# Altium PCB LimePSB-RPCM_1v3.PcbDoc (part 6 of 10)
Units mm, origin at the board's own origin, x right, y up, seen from the top; angles counter-clockwise.
Board outline 170 x 110 mm, 6 copper layers (Top, L2, L3, L4, L5, Bottom), stack 1.583 mm thick; 946 components, 565 nets, 4035 pads, 1752 vias.
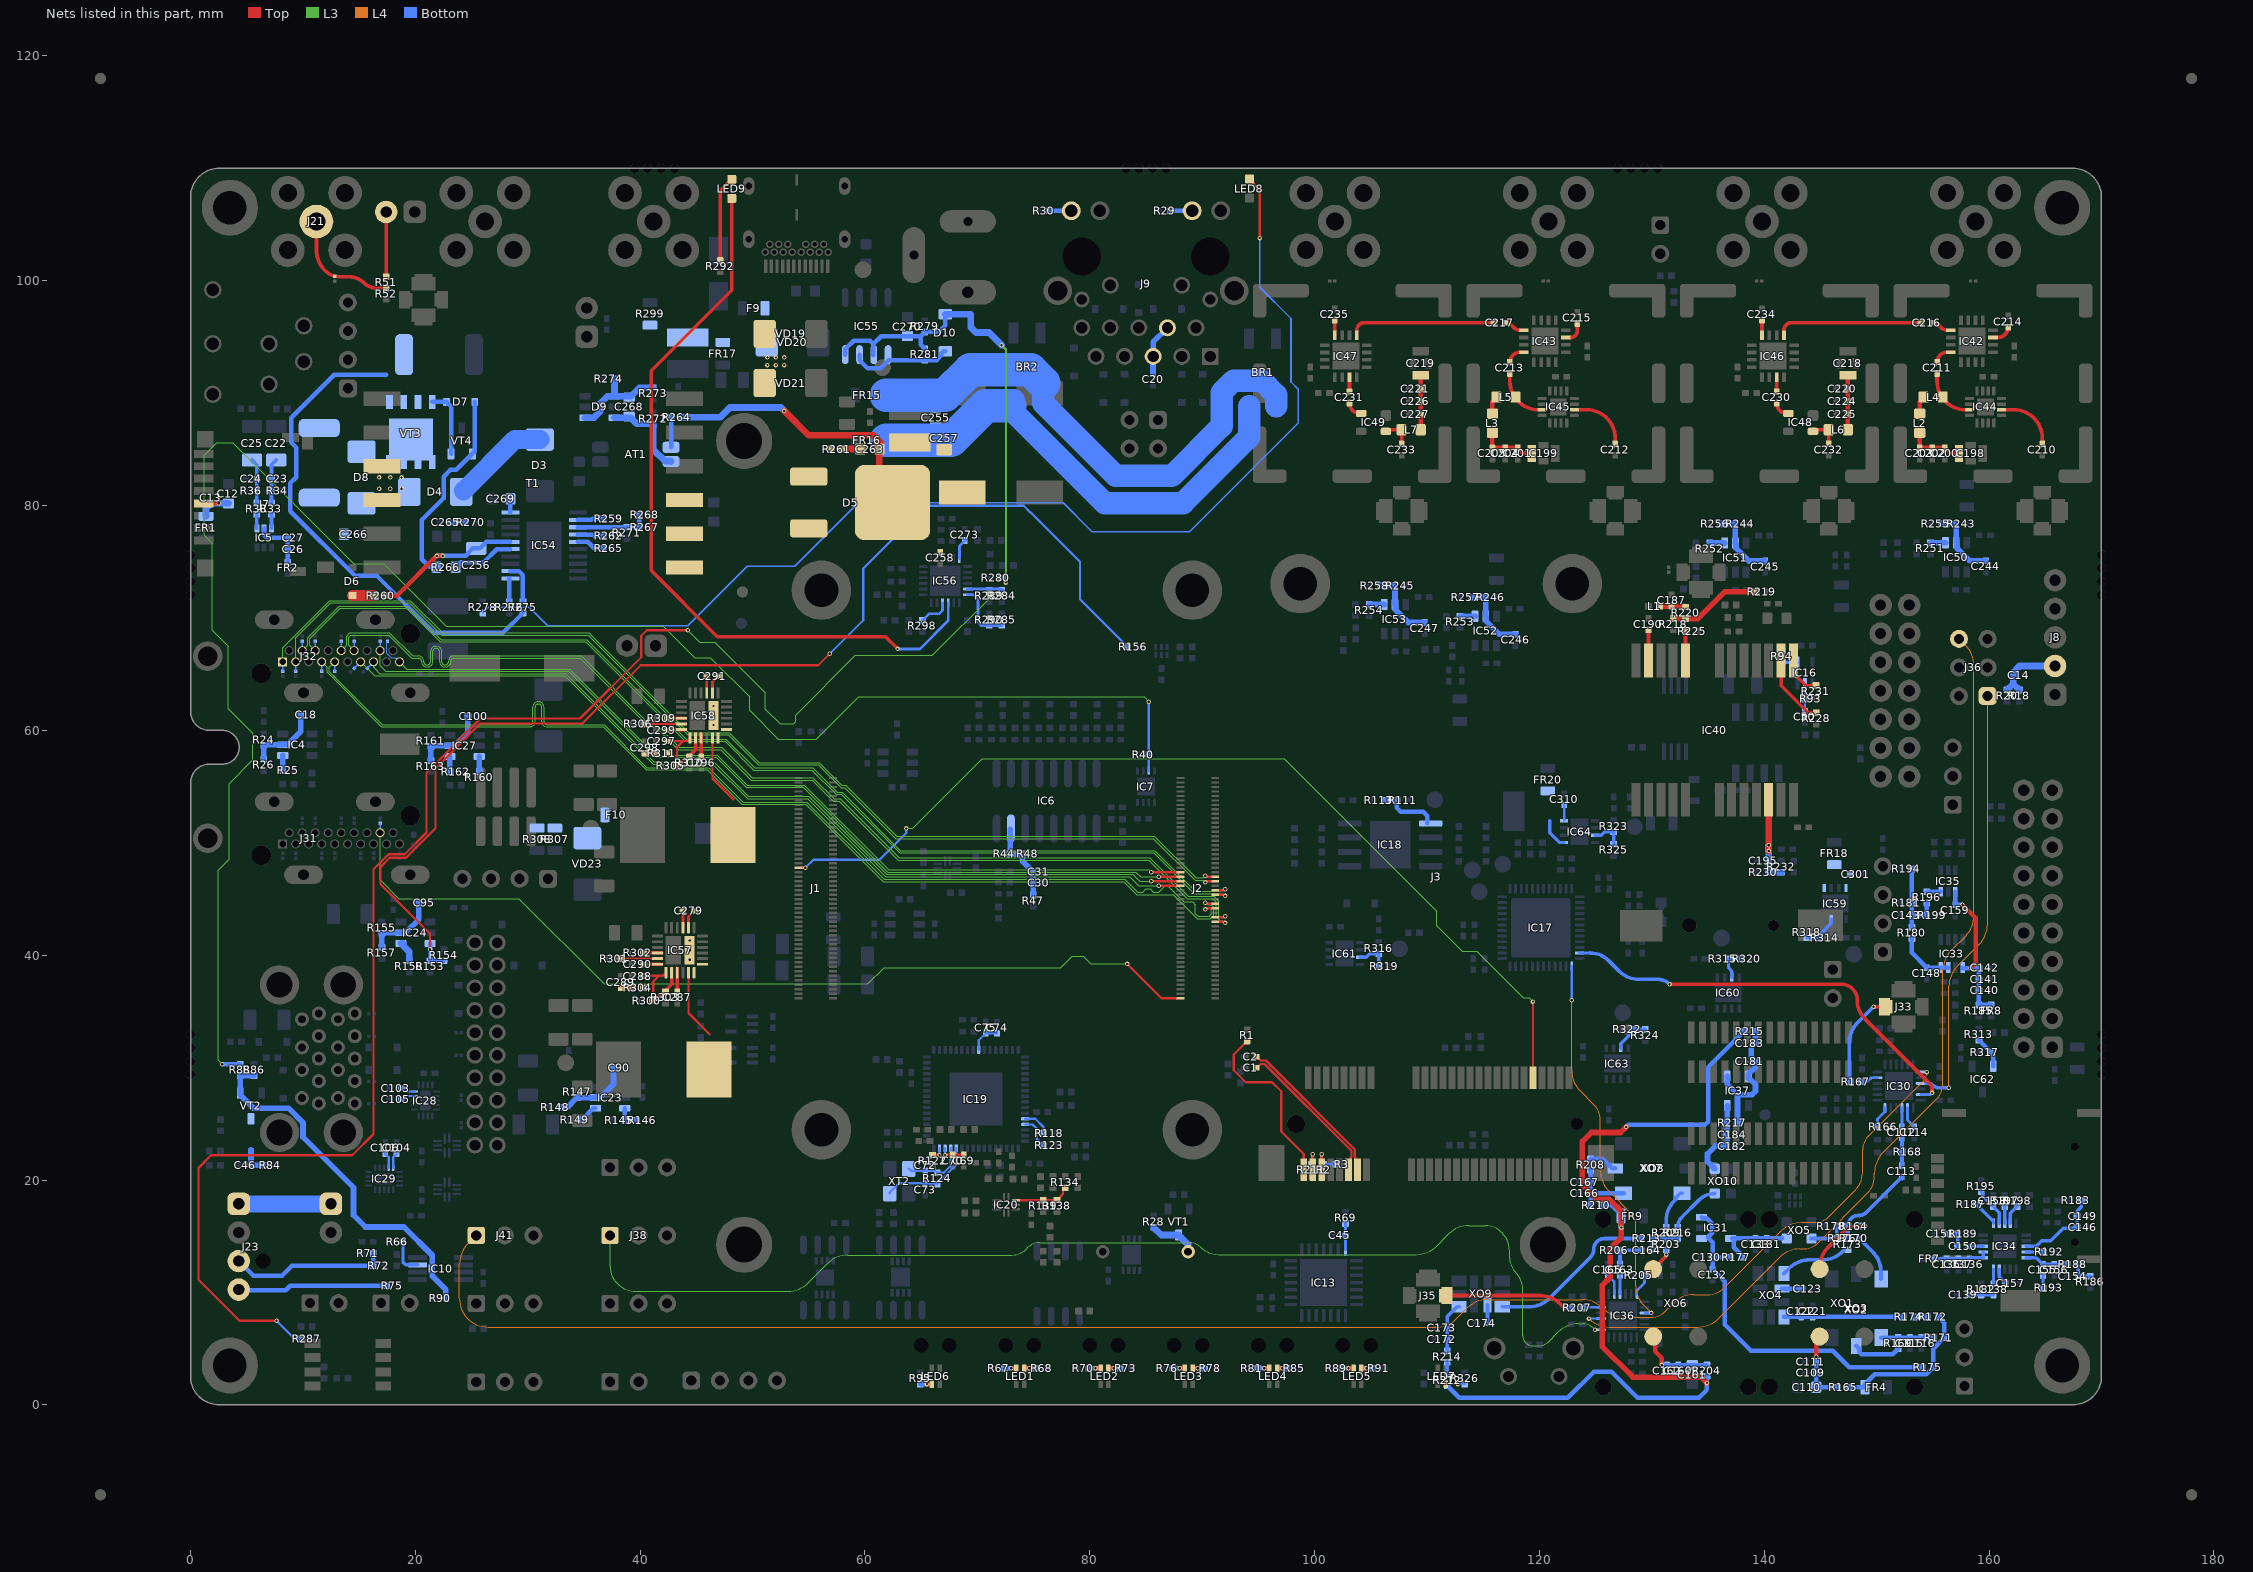
[diagram p10: the nets of this part, all layers, seen from the top]

## Via types
v1: diameter 0.4, hole 0.2, Top to Bottom, tented both sides, 1728 vias
v2: diameter 0.5, hole 0.2, Top to Bottom, tented both sides, 24 vias

## Nets (pads, with @x,y where several pads share a name; then routed paths per layer and width w, separated by ;. In a path a pad name is that pad's centre, name@x,y a point inside that pad or via, vN(x,y) a via of type N, cw(c..) or ccw(c..) an arc to the next point about the centre after c; other vN are vias at no path point) (continued)
HDMI0_SDA: ESD16.1 J2.99 J31.16 | length 82.6
  Top w0.2: v1(83.325,39.225) 86.375,36.175 J2.99@88.085,36.175
  L3 w0.1: J31.16@16.87,50.898 16.87,46.713 18.538,45.045 29.195,45.045 36.791,37.45 60.258,37.45 61.708,38.9 77.425,38.9 78.425,39.9 79.425,39.9 80.1,39.225 v1(83.325,39.225)
  Bottom w0.15: J31.16@16.87,50.898 ESD16.1@16.87,51.722
HDMI1_CEC: ESD26.1 J2.49 J32.13 | length 82
  Top w0.2: v1(86.125,46.175) J2.49@88.085,46.175
  L3 w0.1: J32.13@15.136,66.098 16.384,64.85 33.292,64.85 41.142,57 46.475,57 49.55,53.925 54.926,53.925 61.851,47 83.55,47 84.375,46.175 v1(86.125,46.175)
  Bottom w0.15: ESD26.1@14.554,65.516 J32.13@15.136,66.098
HDMI1_CLK_N: ESD25.1 J2.66 J32.12 | length 96.1
  Top w0.2: J2.66@91.165,42.975 91.95,42.975 v1(92.05,42.875)
  L3 w0.1: J32.12@14.558,67.098 14.08,67.576 14.08,68.297 14.258,68.475 17.617,68.475 19.667,66.425 20.29,66.425 cw(c20.29,66.165) 20.55,66.165 20.55,66.11 ccw(c21.01,66.11) 21.01,65.65 21.09,65.65 ccw(c21.09,66.11) 21.55,66.11 21.55,67.027 cw(c21.81,67.027) 21.81,67.287 21.89,67.287 cw(c21.89,67.027) 22.15,67.027 22.15,66.11 ccw(c22.61,66.11) 22.61,65.65 22.69,65.65 ccw(c22.69,66.11) 23.15,66.11 23.15,66.165 cw(c23.41,66.165) 23.41,66.425 34.675,66.425 40.6,60.5 41.175,60.5 43.375,58.3 47.175,58.3 49.9,55.575 55.3,55.575 57.175,53.7 57.7,53.7 62.95,48.45 85.25,48.45 88.675,45.025 90.925,45.025 91.25,44.7 91.25,43.425 91.6,43.075 91.841,43.075 v1@92.041,42.875
  Bottom w0.15: J32.12@14.558,67.098 ESD25.1@14.558,67.922
HDMI1_CLK_P: ESD24.1 J2.64 J32.10 | length 96.5
  Top w0.2: J2.64@91.165,43.375 91.95,43.375 v1(92.05,43.475)
  L3 w0.1: J32.10@13.402,67.098 13.88,67.576 13.88,68.38 14.175,68.675 17.7,68.675 19.75,66.625 20.29,66.625 cw(c20.29,66.165) 20.75,66.165 20.75,66.11 ccw(c21.01,66.11) 21.01,65.85 21.09,65.85 ccw(c21.09,66.11) 21.35,66.11 21.35,67.027 cw(c21.81,67.027) 21.81,67.487 21.89,67.487 cw(c21.89,67.027) 22.35,67.027 22.35,66.11 ccw(c22.61,66.11) 22.61,65.85 22.69,65.85 ccw(c22.69,66.11) 22.95,66.11 22.95,66.165 cw(c23.41,66.165) 23.41,66.625 34.758,66.625 40.683,60.7 41.258,60.7 43.458,58.5 47.258,58.5 49.983,55.775 55.383,55.775 55.508,55.65 57.258,53.9 57.783,53.9 63.033,48.65 85.333,48.65 88.758,45.225 90.608,45.225 91.008,45.225 91.45,44.783 91.45,43.508 91.683,43.275 91.841,43.275 v1@92.041,43.475
  Bottom w0.15: J32.10@13.402,67.098 ESD24.1@13.402,67.922
HDMI1_D0_N: ESD23.1 J2.60 J32.9 | length 96.1
  Top w0.2: v1(90.28,44.075) 90.38,44.175 J2.60@91.165,44.175
  L3 w0.1: J32.9@12.824,66.098 12.346,65.62 12.346,65.237 17.058,60.525 30.19,60.525 ccw(c30.19,60.785) 30.45,60.785 30.45,62.075 cw(c30.91,62.075) 30.91,62.535 30.99,62.535 cw(c30.99,62.075) 31.45,62.075 31.45,60.785 ccw(c31.71,60.785) 31.71,60.525 36.783,60.525 40.608,56.7 46.1,56.7 49.175,53.625 54.833,53.625 61.708,46.75 83.108,46.75 84.258,45.6 84.725,45.6 85.025,45.9 85.358,45.9 85.658,45.6 86.125,45.6 86.65,46.125 86.983,46.125 88.358,44.75 89.15,44.75 89.4,44.5 89.4,43.708 89.658,43.45 90.637,43.45 90.825,43.637 90.825,44.175 90.725,44.275 90.489,44.275 90.289,44.075 v1(90.28,44.075)
  Bottom w0.15: ESD23.1@12.824,65.275 J32.9@12.824,66.098
HDMI1_D0_P: ESD22.1 J2.58 J32.7 | length 96
  Top w0.2: v1(90.28,44.675) 90.38,44.575 J2.58@91.165,44.575
  L3 w0.1: J32.7@11.668,66.098 12.146,65.62 12.146,65.154 16.975,60.325 30.19,60.325 ccw(c30.19,60.785) 30.65,60.785 30.65,62.075 cw(c30.91,62.075) 30.91,62.335 30.99,62.335 cw(c30.99,62.075) 31.25,62.075 31.25,60.785 ccw(c31.71,60.785) 31.71,60.325 36.7,60.325 40.525,56.5 45.975,56.5 49.05,53.425 54.75,53.425 61.625,46.55 83.025,46.55 84.175,45.4 87.425,45.4 89.575,43.25 90.72,43.25 91.025,43.555 91.025,44.258 90.808,44.475 90.489,44.475 90.289,44.675 v1(90.28,44.675)
  Bottom w0.15: ESD22.1@11.668,65.275 J32.7@11.668,66.098
HDMI1_D1_N: ESD21.1 J2.54 J32.6 | length 96.2
  Top w0.2: J2.54@91.165,45.375 91.95,45.375 v1(92.05,45.275)
  L3 w0.1: J32.6@11.09,67.098 10.612,67.576 10.612,68.154 13.308,70.85 19.225,70.85 22.2,67.875 35.175,67.875 44.025,59.025 47.55,59.025 50.1,56.475 55.27,56.475 57.445,54.3 57.875,54.3 63.075,49.1 85.675,49.1 89.3,45.475 91.841,45.475 92.041,45.275 v1(92.05,45.275)
  Bottom w0.15: J32.6@11.09,67.098 ESD21.1@11.09,67.922
HDMI1_D1_P: ESD20.1 J2.52 J32.4 | length 96.5
  Top w0.2: J2.52@91.165,45.775 91.95,45.775 v1(92.05,45.875)
  L3 w0.1: J32.4@9.934,67.098 10.412,67.576 10.412,68.237 13.225,71.05 19.325,71.05 22.3,68.075 35.258,68.075 44.108,59.225 47.633,59.225 50.183,56.675 55.353,56.675 57.528,54.5 57.958,54.5 63.158,49.3 85.758,49.3 85.875,49.183 89.383,45.675 91.841,45.675 92.041,45.875 v1(92.05,45.875)
  Bottom w0.15: J32.4@9.934,67.098 ESD20.1@9.934,67.922
HDMI1_D2_N: ESD19.1 J2.48 J32.3 | length 96.4
  Top w0.2: v1(90.28,46.475) 90.38,46.575 J2.48@91.165,46.575
  L3 w0.1: J32.3@9.355,66.098 9.356,68.223 12.483,71.35 19.467,71.35 22.342,68.475 22.6,68.475 35.367,68.475 44.242,59.6 47.85,59.6 50.525,56.925 55.842,56.925 57.867,54.9 58.2,54.9 62.725,50.375 85.667,50.375 89.367,46.675 90.071,46.675 90.271,46.475 v1(90.28,46.475)
  Bottom w0.15: ESD19.1@9.356,65.275 J32.3@9.355,66.098
HDMI1_D2_P: ESD18.1 J2.46 J32.1 | length 97.1
  Top w0.2: v1(90.28,47.075) 90.38,46.975 J2.46@91.165,46.975
  L3 w0.1: J32.1@8.2,66.098 8.2,67.35 12.4,71.55 19.55,71.55 22.425,68.675 35.45,68.675 35.749,68.376 44.325,59.8 47.933,59.8 50.608,57.125 55.925,57.125 57.95,55.1 58.283,55.1 62.808,50.575 85.75,50.575 89.45,46.875 90.071,46.875 90.271,47.075 v1(90.28,47.075)
  Bottom w0.15: ESD18.1@8.2,65.275 J32.1@8.2,66.098
HDMI1_HPD: ESD29.1 J2.43 J32.19 | length 79.8
  Top w0.2: v1(85.475,47.375) J2.43@88.085,47.375
  L3 w0.1: J32.19@18.604,66.098 19.252,65.45 33.733,65.45 41.383,57.8 46.858,57.8 49.533,55.125 54.575,55.125 62.1,47.6 85.25,47.6 v1(85.475,47.375)
  Bottom w0.1: ESD29.1@17.525,67.925 17.475,67.875 17.475,67.587 17.475,67.334 17.468,67.326 17.468,66.849 17.866,66.45 18.252,66.45 J32.19@18.604,66.098
HDMI1_SCL: ESD27.1 J2.47 J32.15 | length 81
  Top w0.2: v1(85.475,46.575) J2.47@88.085,46.575
  L3 w0.1: J32.15@16.292,66.098 16.293,66.097 16.293,65.607 16.85,65.05 33.375,65.05 41.225,57.2 46.558,57.2 49.633,54.125 55.009,54.125 61.934,47.2 83.825,47.2 84.45,46.575 v1(85.475,46.575)
  Bottom w0.15: ESD27.1@15.71,65.516 J32.15@16.292,66.098
HDMI1_SDA: ESD28.1 J2.45 J32.16 | length 81.2
  Top w0.2: v1(86.125,46.975) J2.45@88.085,46.975
  L3 w0.1: J32.16@16.87,67.098 16.87,65.755 17.375,65.25 33.65,65.25 41.3,57.6 46.775,57.6 49.45,54.925 54.492,54.925 62.017,47.4 84.1,47.4 84.525,46.975 v1(86.125,46.975)
  Bottom w0.15: J32.16@16.87,67.098 ESD28.1@16.87,67.922
HDR_INT_TO_EXT: J20.2 R51.2 | length 5.8
  Top w0.325: R51.2@17.4,100.35 J20.2@17.4,106.121
INT_TO_EXT: ESD1.1 J21.1 R51.1 R52.1 | length 10.4
  Top w0.325: J21.1@11.2,105.275 11.2,102.727 ccw(c13.74,102.727) 11.944,100.931 ccw(c13.347,102.334) 13.347,100.35 14.122,100.35 cw(c14.122,98.472) 15.45,99.8 ccw(c16.536,100.886) 16.536,99.35 R51.1@17.4,99.35
ISNK_COARSE: IC56.5 R284.2 R287.2 R289.2 | length 143.8
  Top w0.2: v1(7.65,7.475) 4.35,7.475 0.7,11.125 0.7,21.075 1.825,22.2 14.375,22.2 16.275,24.1 16.275,47.649 17.601,48.975 19.05,48.975 20.985,50.91 20.985,56.235 25.8,61.05 34.65,61.05 40.1,66.5 40.1,68.425 40.575,68.9 v1(44.25,68.9)
  L3 w0.1: v1(44.25,68.9) 45.3,67.85 46.625,67.85 51.125,63.35 51.125,61.9 52.45,60.575 53.65,60.575 53.825,60.75 53.825,61.35 59.15,66.675 66,66.675 71.445,72.12 v1(72.516,72.12)
  Bottom w0.2: v1(7.65,7.475) 9.25,5.875 R287.2@9.825,5.875
  Bottom w0.25: IC56.5@69.116,72.575 R284.2@72.061,72.575
  Bottom w0.4: R284.2@72.166,72.47 v1(72.516,72.12)
ISNK_FINE: IC56.6 R285.2 R290.2 | length 5.4
  Bottom w0.25: IC56.6@69.116,72.075 69.661,72.075 70.041,71.695 70.041,69.645 70.341,69.345 R290.2@71.066,69.345 R285.2@72.166,69.345
LM75_OS: IC7.3 R40.1 R88.1 | length 163
  L3 w0.1: v1(2.825,30.3) 2.45,30.675 2.45,47.55 3.45,48.55 3.45,55.275 5.55,57.375 5.55,59.725 3.35,61.925 3.35,67.5 1.925,68.925 1.925,76.65 1.225,77.35 1.225,84.483 2.342,85.6 3.758,85.6 14.533,74.825 17.183,74.825 22.733,69.275 42.05,69.275 44.85,66.475 46.253,66.475 49.75,62.978 49.75,61.775 52.3,59.225 55.675,59.225 59.425,62.975 84.825,62.975 v1(85.25,62.55)
  Bottom w0.25: IC7.3@85.25,56.4 R40.1@85.25,57.851 v1(85.25,62.55)
  Bottom w0.4: v1(2.825,30.3) R88.1@4.425,30.3
LMK10_CLK_OUT0: IC17.37 IC36.3 | length 33.8
  L4 w0.1: v1(122.875,35.985) 122.875,29.727 ccw(c125.415,29.727) 123.619,27.931 124.85,26.7 cw(c123.462,25.312) 125.425,25.312 125.425,20.827 ccw(c127.965,20.827) 126.169,19.031 128.225,16.975 cw(c127.38,16.13) 128.575,16.13 128.575,10.591 ccw(c131.115,10.591) 129.319,8.795 v1(129.939,8.174)
  Bottom w0.25: v1(122.875,35.985) IC17.37@122.875,39 ; IC36.3@129.414,8.174 v1(129.939,8.174)
LMK10_CLK_OUT2: IC36.13 J38.1 | length 103.5
  L3 w0.1: J38.1@37.319,15.075 37.319,12.323 ccw(c39.473,12.323) 37.95,10.8 ccw(c39.64,12.49) 39.64,10.1 53.153,10.1 ccw(c53.153,12.64) 54.949,10.844 56.686,12.581 cw(c58.482,10.785) 58.482,13.325 73.075,13.325 ccw(c73.075,15.136) 74.355,13.855 74.5,14 cw(c75.526,12.974) 75.526,14.425 88.92,14.425 cw(c88.92,13.145) 89.825,14.05 ccw(c91.455,15.68) 91.455,13.375 109.048,13.375 ccw(c109.048,15.915) 110.844,14.119 111.931,15.206 cw(c113.727,13.41) 113.727,15.95 115.2,15.95 cw(c115.2,13.958) 116.608,15.367 116.675,15.3 cw(c115.045,13.67) 117.35,13.67 117.35,13.022 ccw(c118.972,13.022) 117.825,11.875 cw(c116.135,10.185) 118.525,10.185 118.525,6.15 ccw(c119.425,6.15) 119.425,5.25 119.99,5.25 ccw(c119.99,6.36) 120.775,5.575 121.681,6.481 cw(c123.477,4.685) 123.477,7.225 123.8,7.225 cw(c123.8,5.771) 124.828,6.799 v1(124.954,6.674)
LMK10_CLK_OUT3: IC36.15 J36.6 | length 83.9
  L4 w0.1: v1(124.399,7.674) 124.405,7.669 ccw(c126.201,9.465) 126.201,6.925 134.123,6.925 ccw(c134.123,9.465) 135.919,7.669 141.381,13.131 cw(c143.177,11.335) 143.177,13.875 143.55,13.875 ccw(c143.55,15.505) 144.702,14.352 149.217,18.867 ccw(c147.808,20.275) 149.8,20.275 149.8,20.623 cw(c152.34,20.623) 150.544,22.419 155.334,27.209 ccw(c153.969,28.575) 155.9,28.575 155.9,38.648 cw(c158.44,38.648) 156.644,40.444 157.906,41.706 ccw(c156.11,43.502) 158.65,43.502 158.65,65.766 ccw(c156.11,65.766) 157.906,67.562 J36.6@157.329,68.139
  Bottom w0.2: v1(124.399,7.674) IC36.15@125.489,7.674
LMK10_CLK_OUT4: IC36.17 R207.2 | length 1.6
  Bottom w0.25: R207.2@123.864,8.624 123.914,8.674 IC36.17@125.489,8.674
LMKRF_CLK_OUT1: IC30.5 R167.2 | length 1.6
  Bottom w0.25: R167.2@148.65,28.75 148.654,28.754 149.179,28.754 149.525,29.1 IC30.5@150.075,29.1
LMKRF_CLK_OUT2: IC30.13 J41.1 | length 150.1
  L4 w0.1: J41.1@25.419,15.075 24.669,14.325 ccw(c26.465,12.529) 23.925,12.529 23.925,9.465 ccw(c26.465,9.465) 26.465,6.925 110.956,6.925 ccw(c110.956,9.144) 112.525,7.575 113.556,8.606 cw(c115.352,6.81) 115.352,9.35 123.823,9.35 cw(c123.823,6.81) 125.619,8.606 125.7,8.525 ccw(c127.45,10.275) 127.45,7.8 129.925,7.8 ccw(c129.925,9.611) 131.205,8.33 131.931,9.056 cw(c133.727,7.26) 133.727,9.8 134.875,9.8 ccw(c134.875,12.154) 136.539,10.489 141.531,15.481 cw(c143.327,13.685) 143.327,16.225 144.525,16.225 ccw(c144.525,17.915) 145.72,16.72 148.075,19.075 ccw(c146.445,20.705) 148.75,20.705 148.75,22.692 cw(c150.423,22.692) 149.239,23.874 cw(c150.423,22.692) 149.24,23.875 154.104,28.739 ccw(c153.241,29.601) v1(154.461,29.601)
LMKRF_CLK_OUT3: IC30.15 J36.1 | length 38.2
  L4 w0.1: v1(156.425,28.2) 156.425,37.223 cw(c158.965,37.223) 157.169,39.019 159.127,40.977 ccw(c157.331,42.774) 159.871,42.774 J36.1@159.871,63.054
  Bottom w0.325: 154.385,28.6 154.588,28.6 cw(c154.588,28.088) 154.95,28.45 ccw(c155.554,29.054) 155.554,28.2 v1(156.425,28.2)
LMKRF_CLK_OUT4: IC17.35 IC30.17 | length 38.3
  Top w0.325: v1(131.575,37.425) 146.85,37.425 cw(c146.85,36) 148.275,36 ccw(c150.629,36) 148.964,34.336 154.75,28.55 ; 154.75,28.55 cw(c154.328,28.128) 154.925,28.128 v1(154.925,27.75)
  Bottom w0.25: IC17.35@123.575,40.2 124.525,40.2 ; IC30.17@153.925,27.6 154.775,27.6 v1(154.925,27.75)
  Bottom w0.325: 124.525,40.2 cw(c124.525,37.906) 126.147,39.528 127.081,38.594 ccw(c128.877,40.39) 128.877,37.85 130.549,37.85 cw(c130.549,36.399) v1(131.575,37.425)
MCP_RESET: C45.1 IC13.14 R69.1 | length 2.3
  Bottom w0.25: IC13.14@102.75,13.8 R69.1@102.75,16.125
NetAT1_1: AT1.1 R264.2 | length 2.7
  Bottom w0.4: AT1.1@42.75,85.185 R264.2@42.75,87.85
NetAT1_2: AT1.2 C268.2 D9.3 R272.2 | length 8
  Bottom w0.6: D9.3@37.7,87.825 39.15,87.825 39.7,87.275 41.127,87.275 R272.2@41.155,87.247 41.155,84.995 42.192,83.958 42.707,83.958 AT1.2@42.75,83.915
NetBR1_1: BR1.1 BR2.1 C255.1 FR15.1 VD18.K | length 47.2
  Bottom w2: 75.85,90.675 75.85,89.125 82.325,82.65 87.3,82.65 91.725,87.075 91.725,90.05 92.8,91.125 95.3,91.125 96.575,89.85 BR1.1@96.575,88.85
  Bottom w3: 61.9,89.825 67.125,89.825 69.375,92.075 74.725,92.075 75.9,90.9
NetBR1_2: BR1.2 BR2.2 C255.2 FR16.1 VD18.A | length 42.8
  Bottom w2: BR2.2@73.225,89.35 73.225,88.325 81.325,80.225 88.3,80.225 94.175,86.1 BR1.2@94.175,88.85
  Bottom w3: 61.9,85.825 VD18.A@63.575,85.825 67.675,85.825 70.725,88.875 BR2.2@72.875,88.875
NetBZ1_2: BZ1.2 R28.2 VT1.D | length 4.3
  Bottom w0.6: R28.2@85.685,15.79 86.355,15.12 VT1.D@87.9,15.12 88.75,14.27 BZ1.2@88.75,13.625
NetC12_2: C12.2 C13.1 FR1.1 J7.4 | length 4.2
  Top w0.4: J7.4@1.18,80.2 v1(2.5,80.2)
  Bottom w0.6: FR1.1@1.375,79.05 1.375,79.775 C13.1@1.8,80.2 v1(2.5,80.2) C12.2@3.375,80.2
NetC14_1: C14.1 J8.2 R18.2 R20.2 | length 6.5
  Bottom w0.6: R20.2@161.6,63.6 162.15,64.15 ; R18.2@162.7,63.6 162.15,64.15 ; J8.2@165.875,65.732 162.707,65.732 162.15,65.175 C14.1@162.15,64.9 162.15,64.15
NetC18_1: C18.1 IC4.5 R24.1 R26.2 | length 6.4
  Bottom w0.5: R26.2@6.51,57.423 R24.1@6.51,58.673 ; R24.1@6.562,58.725 IC4.5@8.2,58.725 8.25,58.775 8.662,58.775 9.8,59.913 C18.1@9.8,61.373
NetC20_1: C20.1 J9.4 J9.5 | length 4.6
  Bottom w0.5: C20.1@85.625,91.725 J9.5@85.625,93.265 ; J9.5@85.635,93.275 85.635,94.545 J9.4@86.905,95.815
NetC22_2: C22.2 C23.1 R33.2 R34.2 | length 4
  Bottom w0.325: R33.2@7.2,80.225 R34.2@7.2,81.325 C23.1@7.2,82.375 7.2,83.625 C22.2@7.625,84.05
NetC24_2: C24.2 C25.2 R36.1 R38.2 | length 4
  Bottom w0.325: C25.2@5.475,84.05 5.9,83.625 C24.2@5.9,82.375 R36.1@5.9,81.325 R38.2@5.9,80.225
NetC26_2: C26.2 C27.1 FR2.1 IC5.5 | length 5
  Bottom w0.4: IC5.5@6.55,77.975 6.55,77.375 6.8,77.125 C27.1@8.65,77.125 FR2.1@8.65,74.952
NetC30_2: C30.2 C31.1 IC6.15 R44.1 R47.2 R48.1 | length 7.4
  Bottom w0.5: IC6.15@72.926,51.22 72.926,49.06 R44.1@72.876,49.01 R48.1@73.974,49.01 ; R48.1@73.974,49.01 73.986,48.998 73.986,48.398 74.926,47.458 74.926,47.435 C31.1@74.976,47.435 C30.2@74.976,46.435 R47.2@74.976,45.36
NetC46_2: C46.2 J23.1 J24.1 R84.2 VT2.D | length 10.8
  Bottom w0.5: 5.375,22.7 C46.2@5.375,21.325 R84.2@6.575,21.325
  Bottom w1.5: J23.1@4.287,17.88 J24.1@12.491,17.88
NetC50_2: C50.2 IC16.2 R93.1 | length 2.4
  Bottom w0.2: C50.2@143.625,61.7 R93.1@143.625,62.8 IC16.2@143.625,64.15
NetC69_2: C69.2 C70.1 IC19.62 | length 2.3
  Top w0.3: v1(67.125,22.225) C70.1@67.8,22.225 C69.2@68.8,22.225
  Bottom w0.2: v1(67.125,22.225) IC19.62@67.125,22.825
NetC72_2: C72.2 IC19.61 R124.1 XT2.1 | length 5.7
  Bottom w0.2: XT2.1@63.9,21.025 64.1,20.825 C72.2@65.375,20.825 66.25,20.825 R124.1@66.425,20.65 67.001,20.65 67.625,21.274 IC19.61@67.625,22.825
NetC73_2: C73.2 IC19.60 R124.2 XT2.3 | length 8.6
  Bottom w0.2: XT2.3@62.2,18.825 62.2,18.898 63.027,19.725 65.3,19.725 C73.2@65.375,19.65 R124.2@66.425,19.65 68.125,21.35 IC19.60@68.125,22.825
NetC74_2: C74.2 C75.1 IC19.25 | length 2.7
  Bottom w0.2: IC19.25@70.125,31.575 70.125,32.425 70.748,33.047 C74.2@71.749,33.047
NetC90_1: C90.1 IC23.5 R147.1 R148.2 | length 6.9
  Bottom w0.5: R148.2@32.925,26.475 33.525,26.475 R147.1@34.335,27.285 ; R147.1@34.387,27.337 IC23.5@36.025,27.337 36.075,27.387 36.487,27.387 37.625,28.525 C90.1@37.625,29.985
NetC95_1: C95.1 IC24.5 R155.1 R157.2 | length 6.4
  Bottom w0.5: R157.2@17.023,40.698 R155.1@17.023,41.948 ; R155.1@17.075,42 IC24.5@18.713,42 18.763,42.05 19.175,42.05 20.313,43.188 C95.1@20.313,44.648
NetC100_1: C100.1 IC27.5 R161.1 R163.2 | length 6.4
  Bottom w0.5: R163.2@21.385,57.323 R161.1@21.385,58.573 ; R161.1@21.437,58.625 IC27.5@23.075,58.625 23.125,58.675 23.537,58.675 24.675,59.813 C100.1@24.675,61.273
NetC103_1: C103.1 IC28.14 | length 1.3
  Bottom w0.2: C103.1@18.75,28.175 18.8,28.175 18.95,28.025 18.95,27.992 19.067,27.875 IC28.14@19.923,27.875
NetC104_1: C104.1 IC29.14 | length 1.4
  Bottom w0.2: IC29.14@18.023,21.102 18.023,22.033 18.14,22.15 18.175,22.15 18.325,22.3 C104.1@18.325,22.35
NetC105_1: C105.1 IC28.13 | length 1.3
  Bottom w0.2: C105.1@18.75,27.175 18.8,27.175 18.95,27.325 18.95,27.358 19.067,27.475 IC28.13@19.923,27.475
NetC106_1: C106.1 IC29.13 | length 1.4
  Bottom w0.2: C106.1@17.323,22.35 17.323,22.3 17.473,22.15 17.506,22.15 17.623,22.033 IC29.13@17.623,21.102
NetC109_2: C109.2 C110.2 C111.1 R165.2 XO1.4 | length 6.4
  Top w0.4: v1(144.625,4.275) XO1.4@144.625,6.075
  Bottom w0.4: v1(144.625,4.275) C111.1@144.625,3.85 C109.2@144.625,2.85 C110.2@144.625,1.575 R165.2@146.525,1.575
NetC112_1: C112.1 IC30.21 | length 1.7
  Bottom w0.25: C112.1@152.25,24.75 IC30.21@152.25,26.425
NetC112_2: C112.2 C113.1 R168.2 | length 2.5
  Bottom w0.325: C113.1@152.25,21.3 R168.2@152.25,22.525 C112.2@152.25,23.75
NetC113_2: C113.2 R164.1 R170.1 R173.2 R176.1 | length 8
  Bottom w0.325: R170.1@147.45,14.8 R164.1@147.45,15.9 cw(c147.571,15.9) R164.1@147.485,15.985 ; R164.1@147.485,15.985 cw(c148.35,15.985) 148.35,16.85 148.425,16.85 ccw(c148.425,17.755) 149.065,17.115 C113.2@152.25,20.3 C113.2@152.25,20.127
NetC114_2: C114.2 IC30.20 | length 1.9
  Bottom w0.25: IC30.20@152.75,26.425 152.75,25.35 C114.2@153.35,24.75
NetC115_2: C115.2 C116.2 R169.2 R171.1 XO2.5 XO3.4 | length 5.4
  Bottom w0.4: XO2.5@150.389,5.99 152.665,5.99 ; R169.2@151.915,5.99 C115.2@152.965,5.99 C116.2@153.965,5.99 R171.1@155.015,5.99
NetC121_2: C121.2 C122.2 R174.2 XO4.9 | length 10.6
  Bottom w0.4: XO4.9@141.75,7.825 C122.2@143.3,7.825 C121.2@144.3,7.825 R174.2@152.375,7.825
NetC123_2: C123.2 XO4.7 | length 1.8
  Bottom w0.4: XO4.7@141.575,10.35 C123.2@143.35,10.35
NetC130_2: C130.2 C132.2 IC31.1 IC31.3 R175.2 R177.2 | length 31.7
  Bottom w0.4: IC31.3@134.425,16.7 134.525,16.6 134.9,16.6 135.375,16.125 135.375,15.3 134.975,14.9 135.4,14.475 C130.2@135.4,13.125 ; R177.2@137,13.125 C130.2@135.4,13.125 ; R175.2@154.025,3.35 147.575,3.35 146.1,4.825 138.818,4.825 136.5,7.143 136.5,10.975 135.5,11.975 135.45,11.975 135.4,12.025 C132.2@135.4,12.075 C130.2@135.4,13.125
NetC131_2: C131.2 C133.2 IC31.5 R177.1 XO5.4 | length 6.4
  Bottom w0.4: R177.1@138,13.125 137.9,13.225 137.9,13.4 137.275,14.025 137.275,14.7 137.175,14.8 138,14.8 C131.2@140.225,14.8 XO5.4@141.6,14.8
NetC135_2: C135.2 C136.1 C137.1 FR7.2 IC34.6 IC34.7 | length 4.8
  Bottom w0.3: FR7.2@155.2,13 C135.2@156.25,13 C137.1@157.25,13 C136.1@158.25,13 158.35,13.1 IC34.6@159.5,13.1 IC34.7@159.5,13.6
NetC138_1: C138.1 IC34.5 | length 1.3
  Bottom w0.3: C138.1@160.4,10.775 IC34.5@160.4,12.05
NetC138_2: C138.2 C139.1 R182.2 | length 2.2
  Bottom w0.3: C139.1@158.2,9.775 C138.2@160.4,9.775
NetC140_2: C140.2 C141.1 C142.1 C159.1 FR8.1 IC33.1 IC35.4 R185.2 | length 14
  Top w0.4: v1(157.637,44.488) 158.8,43.325 158.8,39.275 v1(158.374,38.849)
  Bottom w0.4: C159.1@156.999,44.49 IC35.4@156.999,45.649 ; C159.1@157.001,44.488 v1(157.637,44.488) ; IC33.1@157.649,38.884 157.649,38.849 v1(158.374,38.849) 159.099,38.849 C141.1@159.098,37.864 C140.2@159.098,36.864 R185.2@159.099,35.574 FR8.1@160.199,35.574
NetC143_2: C143.2 R180.1 R181.2 R194.2 R196.1 R199.1 | length 7.6
  Bottom w0.4: R180.1@153.14,42.489 C143.2@153.14,43.549 ; R194.2@153.14,47.675 R181.2@153.14,44.659 C143.2@153.14,43.549 ; R196.1@154.465,44.649 R199.1@154.465,43.549 C143.2@153.14,43.549
NetC146_2: C146.2 C149.1 IC34.18 R183.1 | length 7.8
  Bottom w0.3: IC34.18@163.3,14.1 164.199,14.1 164.699,14.6 165.5,14.6 166.6,15.7 167.675,15.7 167.775,15.8 C146.2@167.825,15.8 C149.1@167.825,16.8 167.825,17.225 168.225,17.625 R183.1@168.225,18.2